# Altium PCB novena_evt1_a.PcbDoc (part 7 of 12) (continued)
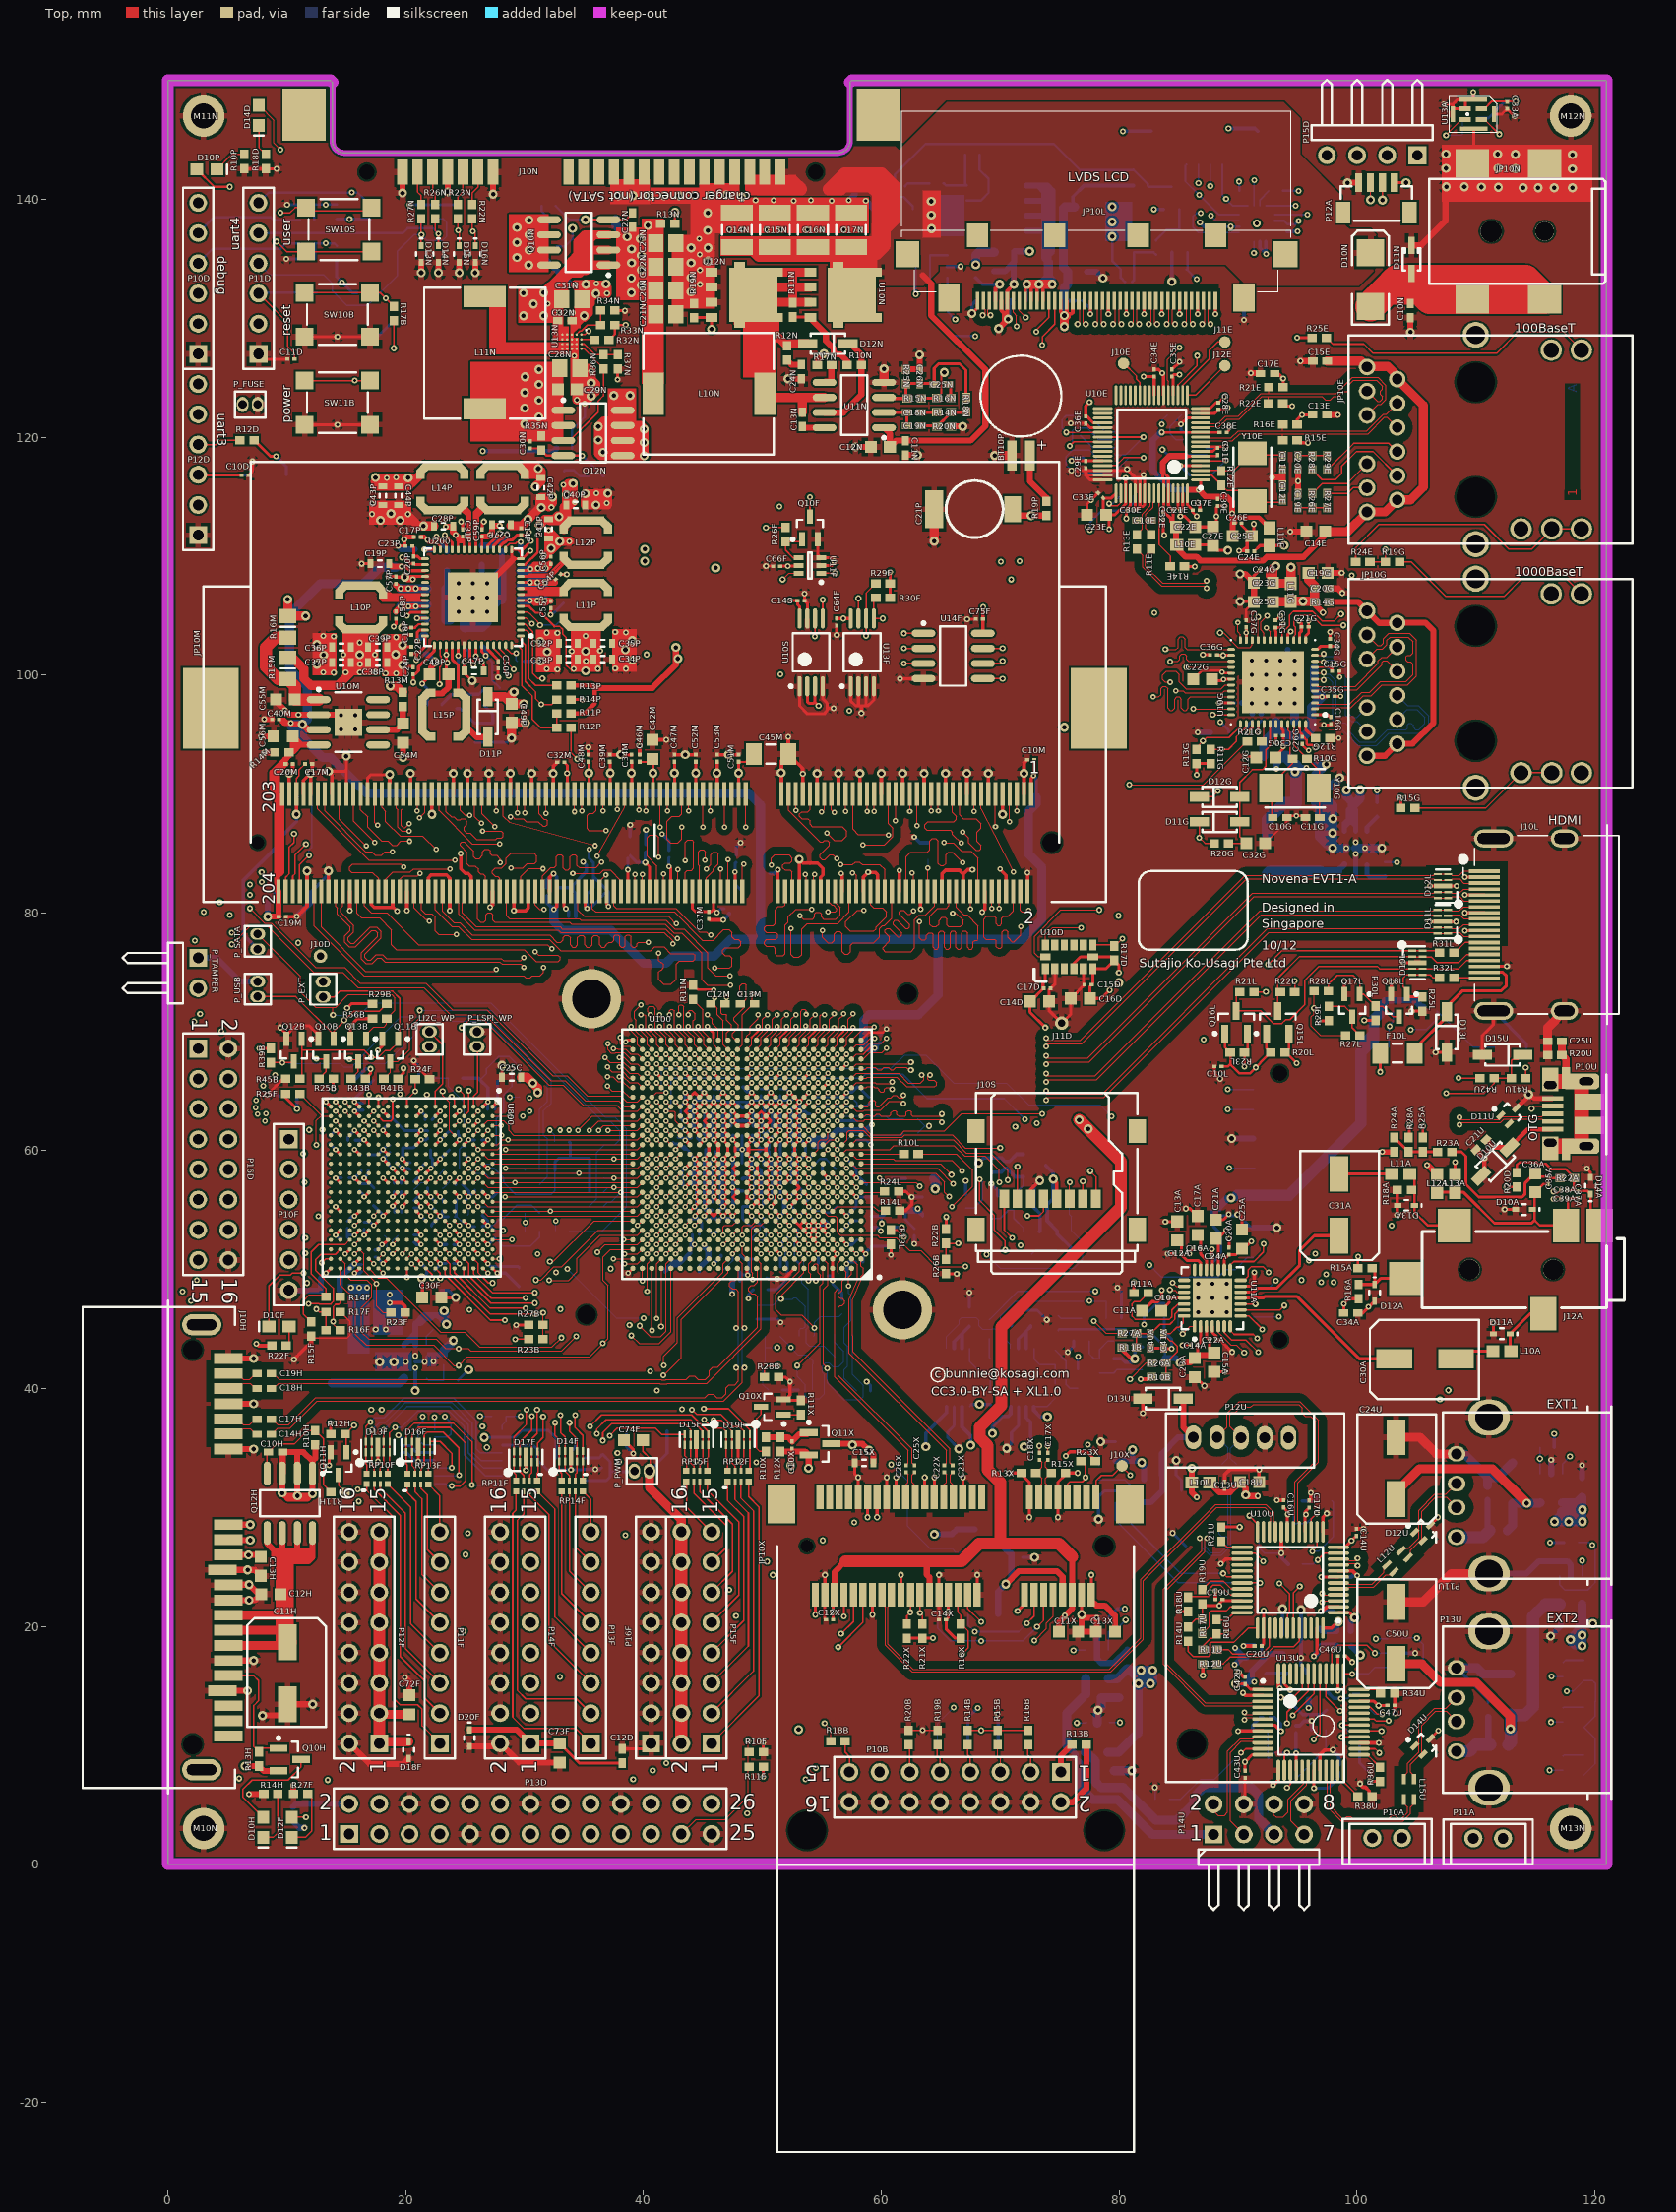
[diagram p0: Top view]
## Nets (pads, with @x,y where several pads share a name; then routed paths per layer and width w, separated by ;. In a path a pad name is that pad's centre, name@x,y a point inside that pad or via, vN(x,y) a via of type N, cw(c..) or ccw(c..) an arc to the next point about the centre after c; other vN are vias at no path point) (continued)
  Top w0.3: C19M.2@9.925,79.675 v1(10.825,79.675) 11.7,80.55 JP10M.196@11.7,81.8 v3(11.7,83.525) ; JP10M.201@10.2,90 v3(10.2,91.725) 10.5,92.025 C20M.2@10.5,92.525 ; v1(10.6,42.45) 12.05,43.9 R15F.1@12.05,44.4 ; JP10M.197@11.4,90 11.4,91.125 v3(12,91.725) ; JP10M.195@12,90 v3(12,91.725) ; C17M.2@12.125,92.525 12.125,91.85 v3(12,91.725) ; JP10M.190@13.5,81.8 v3(13.5,83.525) ; v3(13.5,91.9) 13.8,91.6 JP10M.189@13.8,90 ; v1(15.3,80.175) JP10M.184@15.3,81.8 ; JP10M.178@17.1,81.8 17.1,80.7 17.35,80.45 18.825,80.45 ; v1(18.65,47.2) 19.65,47.2 19.95,46.9 R23F.1@19.95,46.4 ; JP10M.173@18.65,90.925 v3(18.65,91.625) ; JP10M.172@18.9,81.8 18.9,80.525 18.825,80.45 ; v1(19.275,80.15) 18.975,80.45 18.825,80.45 ; v1(20.1,80.2) JP10M.168@20.1,81.8 ; JP10M.167@20.4,90 v3(20.4,91.725) ; JP10M.162@21.9,81.8 21.9,82.95 22.125,83.175 23.425,83.175 23.7,82.9 JP10M.156@23.7,81.8 v1@23.7,80.1 ; v3(22.2,88.275) JP10M.161@22.2,90 ; C30F.1@23,47.65 v3(24.2,47.65) ; JP10M.155@24,90 v3(24,91.725) ; v1(24.625,84.975) 24.625,83.675 25,83.3 25.25,83.3 25.5,83.05 JP10M.150@25.5,81.8 ; JP10M.151@25.2,90 v3(25.2,91.725) ; JP10M.145@27,90 v3(27,91.725) ; v1(27.101,80.479) 27.3,80.678 JP10M.144@27.3,81.8 ; JP10M.139@28.8,90 v3(28.8,91.725) ; JP10M.138@29.1,81.8 v1(29.1,80.175) 30.075,80.175 30.3,80.4 JP10M.134@30.3,81.8 ; JP10M.133@30.6,90 v3(30.6,91.725) ; JP10M.128@32.1,81.8 32.1,82.975 v1(32.425,83.3) ; JP10M.127@32.4,90 v3(32.4,91.725) 32.4,92.3 C32M.2@32.75,92.65 ; C48M.2@35.35,93.3 v1(35.35,93.925) ; C39M.2@37.15,93.3 C34M.2@39,93.3 ; C46M.2@39.675,93.3 v1(39.675,94.025) ; C42M.2@40.75,94.55 v1(41.9,94.55) ; C47M.2@42.6,93.3 C52M.2@44.4,93.3 ; C37M.2@45.5,79.475 45.575,79.4 v1(46.725,79.4) ; C53M.2@46.2,93.3 C51M.2@48,93.3 ; JP10M.72@51.3,81.8 v1(51.3,83.625) ; JP10M.71@51.6,90 51.6,92.775 C45M.2@52.175,93.35 ; v1(52.175,94.8) C45M.2@52.175,93.35 ; JP10M.66@53.1,81.8 v3(53.1,84.5) 53.425,84.175 54.65,84.175 55.1,83.725 55.1,83.175 54.9,82.975 JP10M.60@54.9,81.8 ; JP10M.65@53.4,90 53.4,92.125 C45M.2@52.175,93.35 ; JP10M.61@54.6,90 v3(54.6,91.725) ; JP10M.55@56.4,90 v3(56.4,91.725) ; v2(56.625,83.325) 56.7,83.25 JP10M.54@56.7,81.8 ; JP10M.49@58.2,90 v3(58.2,91.725) ; JP10M.48@58.5,81.8 58.5,83 v1(58.9,83.4) 59.5,83.4 59.7,83.2 JP10M.44@59.7,81.8 ; JP10M.43@60,90 v3(60,91.725) ; JP10M.38@61.5,81.8 v2(61.5,83.55) ; JP10M.37@61.8,90 v3(61.8,91.725) ; JP10M.32@63.3,81.8 63.3,80.325 v1(63.325,80.3) ; JP10M.31@63.6,90 v3(63.6,91.725) ; JP10M.26@65.1,81.8 65.1,83.275 65.4,83.575 66.575,83.575 66.9,83.25 ; JP10M.25@65.4,90 v3(65.4,91.725) ; JP10M.20@66.9,81.8 66.9,83.25 ; JP10M.19@67.2,90 v3(67.2,91.725) ; v1(67.675,83.625) 67.275,83.625 66.9,83.25 ; v1(68.475,80.075) 68.7,80.3 JP10M.14@68.7,81.8 ; JP10M.13@69,90 v3(69,91.725) ; v2(70,83.7) 70,83.65 70.5,83.15 JP10M.8@70.5,81.8 ; v3(70.2,88.275) JP10M.9@70.2,90 ; JP10M.3@72,90 v3(72,91.725) 72,92.6 C10M.2@72.275,92.875 ; JP10M.2@72.3,81.8 v1(72.3,83.375)
  Top w0.305: v3(67.625,130.4) 68.1,130.875 JP10L.41@68.1,131.475 ; JP10L.37@70.1,131.475 70.1,130.65 70.275,130.475 70.3,130.475 70.413,130.363 v3@70.6,130.175 ; v3(71.15,132.85) 70.6,132.3 JP10L.36@70.6,131.475 v3@70.6,130.175 ; J10S.6@72.55,55.95 72.55,56.7 v3(73.325,57.475) ; C34E.2@82.95,125.7 83.325,125.7 83.75,125.275 U10E.22@83.75,123.529 ; C35E.2@84.45,125.7 v1(85.075,126.325) ; C19U.2@88.1,22.275 v1(88.1,22.975) ; v1(88.575,25.25) 88.975,25.65 U10U.27@90.35,25.65 ; C13U.2@88.875,32.15 88.875,32.75 89.3,33.175 v1(91.775,33.175) ; v1(90,11.2) U13U.8@92.1,11.2 ; v1(90.075,16.15) 90.475,15.75 C42U.2@90.6,15.75 ; v1(90.425,14.4) 90.625,14.2 U13U.2@92.1,14.2 ; v1(90.45,18.35) C20U.2@91.4,18.35 ; C18U.2@91.775,32.125 v1(91.775,33.175) ; v1@91.8,33.2 v1(91.775,33.175) ; v1(92.95,6.625) 93.4,7.075 U13U.13@93.4,7.9 ; v1(93.275,30.6) C16U.2@93.825,30.6 ; v1(93.65,26.15) U10U.20@93.65,27.95 ; C17U.2@96,30.575 96.125,30.7 v1(96.125,31.225) ; U13U.20@96.9,7.9 96.9,9.2 97.3,9.6 v1(97.975,9.6) ; v1(96.975,21.3) 97.15,21.3 97.5,21.65 U10U.2@98.45,21.65 ; U10U.13@97.15,27.95 97.15,29.175 v1(97.475,29.5) ; U10U.8@98.45,24.65 99.65,24.65 v1(100.025,24.275) ; C46U.2@99,17.5 99.1,17.5 v1(99.6,17) ; C14U.2@99.95,28.2 v1(100.575,28.2) ; U13U.27@100.2,10.2 v1(101.85,10.2) ; v1(100.275,6.775) 100.275,6.725 100.531,6.469 100.731,6.469 101.044,6.156 101.044,5.956 R38U.2@101.3,5.7 ; R34U.2@103.2,14.35 v1(103.2,12.7) v1@103.225,12.675 ; v3@70.6,130.175 70.6,130 v3(70.675,129.925) 70.675,130.1 v3@70.6,130.175
  Top w0.381: v1(19.876,111.38) 20.096,111.6 C17P.2@20.675,111.6 ; C21U.2@110.026,60.076 v1(110.725,59.376) 110.725,58.15 D10U.2@110.448,57.873 ; D11U.3@113.445,63.595 114.55,64.7 114.85,64.4 P10U.5@116.475,64.4
  Top w0.508: J10H.4@4.575,14.585 v3(6.7,14.585) ; J10H.12@4.575,24.745 7.305,24.745 C13H.2@7.8,24.25 ; J10H.10@4.7,22.2 7.35,22.2 C12H.2@7.85,22.7 7.625,22.7 v3(6.825,23.5) J10H.11@4.7,23.5 ; J10H.6@5.075,17.125 v3(7.2,17.125) ; J10H.16@5.075,34.905 v3(7.2,34.905) ; J10H.19@5.075,38.715 v3(7.2,38.715) ; J10H.22@5.075,42.525 v3(7.2,42.525) ; v1(6.825,5.9) R14H.1@8.05,5.9 ; v1(7.825,94.825) C56M.2@8.9,94.825 ; v3(7.95,12.5) C11H.2@10.075,12.5 ; v1(8.05,93.45) 8.075,93.475 R14M.2@9,93.475 ; v1(8.1,96.275) C40M.2@8.75,96.275 ; C55M.2@9.075,97.925 9.075,97.8 v1(9.85,97.025) 10.215,96.66 U10M.2@12.675,96.66 14.54,96.66 v4(14.575,96.625) U10M.9@15.175,96.025 ; C11H.2@10.05,13.45 v3(12.175,13.45) ; R27F.1@10.55,5.9 v1(10.55,6.65) ; P12F.2@15.24,10.16 16.975,8.425 19.775,8.425 D18F.2@20.25,8.9 ; v3(19.725,140.525) J10N.22@19.725,142.3 ; v3(19.775,93.05) C54M.2@19.775,94.3 ; v3(19.925,108.225) 20.1,108.05 v1(20.6,108.05) ; v1(19.95,15.7) 20.3,15.35 C72F.1@20.3,14.2 ; v3(21.3,133.825) D13N.2@21.3,134.7 ; v3(22.75,133.825) D14N.2@22.75,134.7 ; v3(23.525,140.625) 23.535,140.635 J10N.19@23.535,142.3 ; v3(24.5,133.825) D15N.2@24.5,134.7 ; D20F.2@25.35,9.9 27.68,9.9 P14F.2@27.94,10.16 29.55,8.55 C73F.1@32.95,8.55 ; U200.57@25.8,106.525 29.05,109.775 ; v3(25.85,133.825) D16N.2@25.85,134.7 ; J10N.16@27.345,142.3 27.345,140.43 v3(27.35,140.425) ; v3(52.15,124.9) C24N.2@53.275,124.9 ; v3(57.825,119.175) C12N.2@59.125,119.175 ; C11N.2@62.025,118.5 v3(63.05,118.5) ; R25N.1@62.075,125.7 C26N.2@63.225,125.7 v3(63.225,126.925) ; R20N.1@65.875,120.9 v3(66.85,120.9) ; v3(69.875,129.125) v3@70.413,129.663 ; 70.413,130.363 v3@70.413,129.663 ; v3(70.675,129.925) v3@70.413,129.663 ; v3(90.175,108.5) 90.6,108.5 C23G.2@91.35,107.75 C25G.2@91.35,106.15 ; v1@91.05,125.4 v1(91.075,125.375) C17E.2@91.875,125.375 ; v1(92.85,116.6) 93.75,116.6 ; C12E.2@93.75,115.95 93.75,116.6 ; C11E.2@93.75,117.25 93.75,116.6 ; v1(94.4,112.05) C14E.2@95.75,112.05 ; C19E.2@95.05,115.25 C20E.2@95.05,117.25 ; v1(95.25,126.4) C15E.2@96.3,126.4 ; C13E.1@97.475,121.875 v1(98.425,121.875) ; C19G.2@97.55,108.575 v1(98.725,108.575) ; C20G.2@97.65,107.275 98.4,107.275 v1(98.775,106.9) ; v3(99.225,141.375) 99.25,141.4 P12A.4@100.15,141.4 ; v3(104.5,128.825) C10N.2@104.5,130.05 ; D11N.1@104.6,136.125 105.4,136.125 107.45,138.175 107.45,139.975 ; C11X.2@76.55,19.55 76.85,19.85 v3(76.85,20.975) 77.113,20.713 v1(78.138,20.713) 78.138,19.638 C13X.2@78.05,19.55 C11X.2@76.55,19.55
  Top w0.762: 19.775,113.35 19.925,113.2 20.4,113.2 21.075,112.525 C28P.2@22.375,112.525 ; C27P.2@28.85,112.55 29.775,112.55 v3@31.425,114.2 ; v3(28.9,94.7) C49P.2@28.9,95.975 v3(30.05,95.975) ; C42P.2@31.275,114.825 31.275,114.35 v3@31.425,114.2 ; C42P.2@31.375,114.95 32.325,114.95 v3(32.35,114.975) 32.35,114.475 32.025,114.15 31.975,114.2 v3@31.425,114.2 ; v1@31.725,110.075 32.225,110.575 v3(32.225,110.65) ; v3(32.95,111.225) 32.2,110.475 32.025,110.65 C41P.2@32.025,111.475 ; v1(33.75,111.225) v3@32.85,111.225 ; C32N.2@33.975,129.8 34.55,129.8 v3@34.825,130.075 ; 35.15,124.775 35.15,123.475 34.95,123.475 C29N.2@34.4,124.025 ; v1@36.725,114.6 36.65,114.6 36,115.25 v1(36.025,115.275) v3(37,115.275) 37,114.3 v3(36,114.3) ; U11N.4@60.225,124.605 v3(60.225,125.75) ; v3@64.425,111.225 v3(64.45,111.25) C21P.2@64.45,113.95 ; v3(69.55,118.45) BT10P.2@71,118.45 ; C50U.2@103.3,22.05 105.575,22.05 107.955,24.43 P11U.0@111.11,24.43 ; C24U.2@103.3,35.9 105.3,35.9 106.7,34.5 P11U.4@108.4,34.5 ; R20U.2@116.05,68.05 C25U.2@116.05,69.2 116.05,70.34 J10L.0@117.46,71.75 ; C41P.2@32.025,111.475 32.275,111.225 v3@32.85,111.225 ; C41P.2@32.025,111.475 32.025,112.05 v3@32.85,111.225 ; C29N.2@34.4,124.025 v1(34.4,123.125) 35.275,123.125 v3(35.6,123.45) ; C29N.2@34.4,124.025 34.65,124.275 C28N.2@34.65,125.8 35.35,125.8 v1(35.6,125.55) v3@35.6,124.85 ; v3@34.825,130.075 C31N.2@34.825,131.6 ; v3@34.825,130.075 35,130.075 35.35,130.425 C31N.2@35.35,131.075 ; C31N.2@34.825,131.6 C31N.2@34.825,132.25 ; C31N.2@34.825,131.6 C31N.2@35.35,131.075 ; C31N.2@34.825,131.6 35.6,132.375 35.6,132.475 ; C31N.2@34.825,131.6 35.525,131.6 ; C31N.2@34.825,132.25 v1(34.25,132.825) v3@35.125,132.825 ; C31N.2@34.825,132.25 34.825,132.275 34.7,132.4 v3@35.125,132.825 ; v3@35.1,115.1 C40P.2@35.1,114.3 v3(36,114.3) ; v3@35.1,115.1 35.225,115.225 36,115.225 v3(36,114.3) ; v3@35.1,115.1 35.2,115.1 v3(36,114.3) ; v3@35.125,132.825 v3(35.15,132.85) 35.775,132.85 35.862,132.763 35.875,132.75 36,132.625 v3(36,132.075) ; v3@35.125,132.825 35.25,132.825 35.6,132.475 ; C31N.2@35.35,131.075 35.525,131.25 35.525,131.6 ; 35.525,131.6 v3(36,132.075) ; v3(35.6,123.45) 35.975,123.825 35.975,124.475 v3@35.6,124.85 ; v3(35.6,123.45) v3(35.6,124.55) v3@35.6,124.85 ; 35.6,132.475 35.9,132.775 36.725,132.775 36.925,132.575 v1(36.925,132.075) v3(36,132.075)
  Bot w0.127: R50B.2@24.525,58.5 24.525,60.125 24.75,60.35 C27F.2@24.975,60.35 ; v2(26.9,53.7) 27.05,53.7 27.35,53.7 27.825,54.175 28.1,54.175 29.35,55.425 30.575,55.425 R47B.2@31.25,54.75 ; v2(26.9,58.5) 27.45,58.5 R54B.2@28.25,57.7 28.25,57.3 29.225,56.325 32.225,56.325 32.55,56.65 R46B.2@32.55,58.225 ; v1(76,117.2) 75.525,117.675 75.525,118.35 76.006,118.831 76.024,118.831 76.118,118.925 77.5,118.925 78.05,118.375 C18E.2@78.05,118.2 ; R37U.1@83.025,5.45 v1(83.025,6.45) ; R24U.2@91.775,27.325 91.775,26.6 92.225,26.15 v1(93.65,26.15) ; v1(98.65,13.925) 99.225,13.925 99.65,14.35 R35U.2@100.25,14.35
  Bot w0.203: Q13N.2@33.975,119.045 33.975,120.6 35.05,121.675 v1(35.05,122.825) ; C75C.2@43.1,62.7 43.3,62.5 v2(43.5,62.5) 43.15,62.85 43.15,63.75 v2(43.5,64.1) ; C25M.2@44.623,65.164 44.836,65.164 v2(45.1,64.9) ; v2(45.1,61.7) v2(45.1,63.3) ; C31M.2@45.902,65.164 46.436,65.164 v2(46.7,64.9) ; C28M.2@49.899,65.164 50.436,65.164 v2(50.7,64.9) ; C21M.2@50.166,63.625 50.375,63.625 v2(50.7,63.3) ; C23M.2@51.499,65.164 52.036,65.164 v2(52.3,64.9) ; v2(52.3,55.3) 52.45,55.3 C24X.2@52.775,54.975 ; C70C.2@53.438,53.975 53.625,53.975 v2(53.9,53.7) 54.1,53.5 C64C.2@54.3,53.5 54.5,53.5 v2(54.7,53.7) ; C81C.2@53.464,53.38 53.445,53.366 53.438,53.362 53.442,53.362 53.9,52.903 v2(53.9,52.9) ; v2@54.625,53.775 v2(54.7,53.7) ; C20X.2@55.275,54.175 55.5,53.95 v2(55.5,53.7) v2(54.7,53.7) ; v2(57.1,59.3) 57.775,58.625 C65C.2@57.775,58.475 ; C16M.2@59.951,69.671 59.951,69.757 60.422,70.228 v2(60.448,70.228)
  Bot w0.229: C16E.2@87.35,119.1 88.25,119.1 88.35,119.2 v1(88.975,119.2)
  Bot w0.254: v1(8.35,64.7) 9.2,64.7 C41F.2@9.35,64.55 ; v1(9.975,135) D12D.2@11,135 ; v1(10.025,139.55) D13D.2@10.9,139.55 ; C13F.2@13.6,60.625 13.6,60.6 v2(14.1,60.1) ; v1(14.25,128.45) 17.65,128.45 C10B.2@18.9,129.7 ; C48F.2@15.1,53.475 15.1,52.875 ; C45F.2@15.15,60.875 15.15,61.15 v2(15.7,61.7) ; C14F.2@15.175,52.625 15.1,52.7 15.1,52.875 ; C32F.2@15.2,57.7 v2(15.7,57.7) ; v2(15.7,49.7) 16.175,49.7 C16F.2@16.3,49.825 ; v2(15.7,52.9) 15.125,52.9 15.1,52.875 ; C37F.2@16.25,58.325 16.25,58.25 v2(15.7,57.7) ; C19F.2@16.4,64 15.8,64 v2(15.7,64.1) 15.7,64.35 C21F.2@17.3,65.95 ; C33F.2@16.5,54 17,54 v2(17.3,53.7) ; C10F.2@16.8,59.65 17.65,59.65 v2(18.1,60.1) 18.45,60.45 C52F.2@18.65,60.45 ; C60F.1@17.325,56.85 16.95,57.225 C38F.2@16.125,57.225 15.7,57.65 v2(15.7,57.7) ; C15F.2@17.4,51.05 17.55,51.05 v2(18.1,50.5) ; v2(18.1,63.3) 18.5,62.9 C11F.2@18.5,62.8 18.8,62.8 C50F.2@19.75,61.85 19.9,61.7 v2(21.3,61.7) 21.8,61.7 C36F.2@21.85,61.65 ; v2(18.9,57.7) 19.025,57.575 C57F.2@19.025,57.25 ; v2(18.901,55.328) 19.05,55.179 C55F.2@19.05,54.8 ; C53F.2@19.175,59 19.2,59 v2(19.7,58.5) 20.275,58.5 C35F.2@20.375,58.4 ; v1(19.35,33.775) 19.65,34.075 C67F.2@19.65,34.6 20.075,34.6 20.825,33.85 v1(21.05,33.85) 21.15,33.95 U12F.12@22.425,33.95 ; C58F.2@19.625,56.55 19.625,56.175 v2(19.7,56.1) ; C59F.2@20.675,55.2 21.2,55.2 v2(21.3,55.3) ; C56F.2@20.675,57.4 20.975,57.7 v2(21.3,57.7) ; v1(20.675,67.575) 21.1,67.15 R12F.1@21.1,66.1 ; C46F.2@20.7,52.3 20.9,52.1 v2(21.3,52.1) ; v1(21.375,99.275) 21.825,98.825 R16P.1@21.825,97.5 ; R49B.2@21.85,56.875 21.85,56.35 v2(22.1,56.1) 22.55,55.65 C42F.2@22.575,55.65 ; C61F.2@22.075,60.075 22.075,59.475 22.25,59.3 22.25,58.975 22.25,58.65 v2(22.1,58.5) ; C43F.2@22.187,53.638 22.187,53.787 v2(22.9,54.5) ; C28F.2@22.225,62.6 22.225,62.625 v2(22.9,63.3) ; C18F.2@22.425,49.925 22.9,50.4 v2(22.9,50.5) C17F.2@23.4,50.5 ; v2(22.9,60.9) 23.625,61.625 C12F.2@23.8,61.625 ; C54F.2@23.1,54.95 23.1,54.7 v2(22.9,54.5) ; C25F.2@23.575,54.425 22.975,54.425 v2(22.9,54.5) ; C44F.2@24.05,52.1 v2(24.5,52.1) ; C47F.2@24.8,57.125 25.3,56.625 v2(25.3,56.1) ; C26F.2@24.85,55.65 v2(25.3,56.1) ; C27F.2@24.975,60.35 24.975,60.575 v2(25.3,60.9) C22F.2@25.8,60.9 ; C52P.2@25.8,94.35 C53P.2@27.325,94.35 28.55,94.35 v3(28.9,94.7) ; C34F.2@25.825,56.675 25.825,56.625 v2(25.3,56.1) ; C39F.2@26.425,53.625 26.5,53.7 v2(26.9,53.7) 26.9,54.1 R53B.2@26.425,54.575 ; v2@27.05,53.7 C24F.2@27.5,53.25 ; C23F.2@27.525,63.45 27.525,63.925 v2(27.7,64.1) 27.7,65.8 C49F.1@27.85,65.95 28.1,66.2 v3(28.1,67.175) ; v2(27.7,49.7) 28.4,49.7 C40F.1@29.55,48.55 ; U12F.3@28.125,35.25 30.7,35.25 C68F.2@31.075,34.875 31.075,34 31.9,33.175 v1(33.9,33.175) ; J15D.1@28.9,95.975 v3(30.05,95.975) ; C60P.1@29.975,101.15 31.3,101.15 v3(31.325,101.175) ; v1(32.2,105.05) 32.275,105.05 R18P.1@33.275,106.05 ; R46B.2@32.55,58.35 32.55,58.925 32.55,59.05 32.85,59.35 33.825,59.35 ; R52B.2@33.75,60.75 33.825,60.675 33.825,59.35 ; C70F.2@34.25,35.825 34.25,35.025 33.9,34.675 v1(33.9,33.175) ; R48B.2@35.45,56.55 R51B.2@35.45,59.35 33.825,59.35 ; C71F.2@36.475,33.35 36.325,33.2 U15F.2@35,33.2 34.975,33.175 v1(33.9,33.175) ; D21F.2@38.575,36.425 38.575,35.1 v1(39.15,34.525) ; C87C.2@42.488,60.688 42.619,60.557 42.993,60.557 43.175,60.375 ; v2(43.5,64.1) v2(43.5,64.9) ; C60C.2@43.825,59.971 43.825,59.775 v2(44.3,59.3) v2(44.3,58.5) ; C73C.2@43.85,54.85 v2(44.3,55.3) ; C28C.2@44.1,52.95 44.1,52.3 ; v2@44.2,58.4 v2@44.15,58.35 ; C59C.2@44.6,55 v2(44.3,55.3) ; C84C.2@45.5,53.425 45.5,53.3 v2(45.9,52.9) 45.9,52.975 C76C.2@46.35,53.425 ; C48C.2@46.3,61.3 46.65,61.3 46.7,61.25 ; C44C.2@46.3,62.9 46.675,62.9 46.7,62.875 ; v2(46.7,55.3) C79C.2@47.1,54.9 ; v2(46.7,64.9) 46.75,64.9 C24M.2@47.1,64.55 ; C51C.2@47.8,60.1 v2(48.3,60.1) ; R15H.2@47.925,49.975 R15H.2@48.1,49.8 ; C71C.2@48.1,49.025 R15H.2@48.1,49.8 ; C17C.2@48.125,51.2 48.45,50.875 C20L.2@49.175,50.875 ; C29C.2@48.3,58.953 v2(48.3,60.1) ; C42C.2@48.3,61.26 v2(48.3,60.1) ; 48.5,54.125 48.323,54.302 48.323,55.303 48.326,55.3 v2(49.1,55.3) ; C72C.2@48.7,53.95 49.15,53.5 C37C.2@49.3,53.5 ; C22C.2@48.8,60.1 v2(48.3,60.1) ; C20L.2@48.875,50.875 48.875,49.675 v2(48.75,49.55) 48.35,49.55 R15H.2@48.1,49.8 ; C11B.2@49.55,45.825 51.3,45.825 v2(51.55,45.575) ; C36C.2@49.614,58.811 49.614,58.612 49.913,58.312 C26C.2@49.913,58.1 ; v2(49.9,55.3) 50.075,55.475 C12C.2@50.075,55.725 50.075,55.925 v2(49.9,56.1) ; 50.262,61.262 50.262,61.338 50.262,61.362 C62C.2@51,62.1 ; C27U.2@50.375,49.3 50.45,49.225 v1(51.25,49.225) ; C66C.2@51.025,54.025 v2(51.5,54.5) 51.786,54.786 51.786,55.3 ; C28U.2@51.5,50.225 v2(51.5,51.3) ; v2(51.5,60.9) 51.5,60.127 51.466,60.094 51.5,60.06 v2(51.5,59.3) v2(51.5,58.5) v2(51.5,57.7) v2(51.5,56.9) v2(51.5,56.1) 51.786,55.814 51.786,55.3 ; C13B.2@51.7,39.875 52.325,39.875 ; v2(52.325,40.575) 52.325,39.875 ; C14B.2@53.025,39.875 52.325,39.875 ; v2(53.1,63.3) 53.625,63.3 53.85,63.075 C63C.2@54,63.075 ; v2(53.1,64.1) 53.406,64.406 C22M.2@53.406,64.597 53.597,64.597 v2(53.9,64.9) ; C86C.2@53.615,60.407 53.615,59.735 53.264,59.385 53.185,59.385 v2(53.1,59.3) 52.967,59.167 52.967,58.633 v2(53.1,58.5) 52.967,58.367 52.967,57.833 v2(53.1,57.7) 52.967,57.567 52.967,57.033 53.375,56.625 53.375,56.402 52.848,55.875 52.825,55.875 52.825,55.725 52.571,55.471 52.471,55.471 v2(52.3,55.3) 51.786,55.3 ; C80C.2@54.7,50.5 v2(54.7,51.3) ; C11L.2@55.025,57.375 55.175,57.375 v2(55.5,57.7) 55.1,58.1 C35C.2@55.025,58.1 C21H.2@55.025,58.9 ; C27X.2@55.525,49.475 55.8,49.475 55.903,49.372 v2(55.903,49.077) 55.903,48.797 56.7,48 C12B.2@56.7,47.5 ; C33U.2@56.725,52.675 56.725,52.475 v2(57.1,52.1) 57.55,52.1 C34U.2@57.95,52.5 ; v2(57.1,54.5) 57.875,55.275 C15H.2@57.875,55.3 57.9,55.325 v2(57.9,56.1) C23X.2@59.125,56.1 ; v2(57.1,64.9) 57.5,64.9 C20H.2@57.95,65.35 58.1,65.35 C23L.2@58.95,64.5 ; C65C.2@57.775,58.475 57.9,58.35 v2(57.9,57.7) 58.225,57.7 C67C.2@58.775,57.15 ; C19X.2@57.95,60.9 58.725,60.9 v2(59.125,60.5) ; C74C.2@58.45,50.65 58.45,51.05 v2(58.7,51.3) 58.7,51.45 C22L.2@59.2,51.95 C69C.2@60.8,51.95 v2(60.8,51.225) ; v1(58.775,40.575) 59.1,40.25 R20X.1@59.1,39.8 ; v1(62.55,56.1) C61C.2@63.475,56.1 ; v1(62.775,52.15) C40C.2@62.775,52.85 ; U12A.7@66.133,38.474 66.133,36.883 C27A.1@65.6,36.35 65.6,35.85 v3(66.525,34.925) ; C29A.1@67.4,46.825 v1(67.4,48.075) ; v1(69.825,12.65) 69.83,12.645 U10X.C5@69.83,9.825 ; v3(70.55,34.975) 70.95,35.375 C18A.1@70.95,36.3 71.533,36.883 U10A.7@71.533,38.474 ; C19A.1@70.95,45.25 70.95,46.05 71.475,46.575 73.125,46.575 v1(73.925,45.775) ; C16X.2@71.9,25.8 v3(72.9,25.8) ; v1(75.675,43.05) 76.2,43.575 Q12A.2@76.2,44 ; C13L.2@76.9,131.475 77.6,130.775 v1(77.6,130.337) ; v3(78.275,29) 78.275,30.9 78.75,31.375 U12U.2@79.7,31.375 ; v3(78.45,35.525) C26U.2@79.7,35.525 ; v1(79.875,48.475) 80.2,48.15 Q10A.2@80.2,45.9 ; R32A.1@83.8,45.9 83.8,44.8 84.425,44.175 v1(84.425,43.35) ; v1@84.5,27.875 v1(84.5,27.85) J13D.1@85.6,26.75 ; v3@84.775,33.975 v3(84.8,33.95) C30U.2@84.8,32.725 85.25,32.275 C29U.2@85.25,31.425 ; v1(85.15,117.6) 85.946,116.804 R17E.1@86.55,116.804 ; v1(85.2,121.075) 85.2,120.625 U11E.5@85.4,120.425 ; C13S.2@88.5,54.4 88.625,54.525 90.1,54.525 91.2,53.425 JP10S.3@91.3,53.525 ; v3(107.5,143.8) 107.95,144.25 R34A.1@108.9,144.25 ; P13U.4@108.4,16.5 111.05,13.85 C49U.2@111.05,13.6 ; J10L.0@111.5,71.75 114.25,69 JP10S.CD_WP_COM@114.25,68.7 ; C52C.2@42.325,50.3 42.925,50.3 43.15,50.525 ; C52C.2@42.325,50.3 C52C.2@41.775,49.75 41.775,49.975 42.5,50.7 ; C52C.2@42.325,50.3 42.5,50.475 42.5,50.7 ; 42.5,50.7 43.15,50.7 43.925,51.475 C50C.2@43.975,51.475 ; 42.5,50.7 42.675,50.525 43.15,50.525 ; 43.15,50.525 43.975,51.35 C50C.2@43.975,51.475 ; 43.175,60.375 43.4,60.375 C60C.2@43.65,60.125 43.425,60.125 43.175,60.375 ; C50C.2@43.975,51.475 C50C.2@43.975,51.775 ; C50C.2@43.975,51.775 v2(44.3,52.1) 44.1,52.3 ; C50C.2@43.975,51.775 43.975,52.175 44.1,52.3 ; 44.1,57.1 44.001,57.199 44.001,57.401 44.1,57.5 ; 44.1,57.1 v2(44.3,56.9) ; 44.1,57.1 44.1,57.5 ; 44.1,57.5 v2(44.3,57.7) ; 44.1,57.9 44.001,57.999 44.001,58.201 44.1,58.3 ; 44.1,57.9 44.1,58.3 ; 44.1,57.9 v2(44.3,57.7) ; 44.1,58.3 v2@44.15,58.35 ; v2@44.15,58.35 v2(44.3,58.5) ; v2(44.3,55.3) 44.45,55.45 C55C.2@44.45,55.7 44.45,55.95 v2(44.3,56.1) 44.45,56.25 C53C.2@44.45,56.5 44.45,56.75 v2(44.3,56.9) ; v2(44.3,56.9) 44.45,57.05 44.45,57.55 v2(44.3,57.7) ; v2(44.3,56.9) v2(44.3,57.7) ; v2(44.3,57.7) 44.4,57.8 C56C.2@44.4,58.1 44.4,58.4 v2(44.3,58.5) ; v2(44.3,57.7) v2(44.3,58.5) ; C27M.2@48.325,65.35 48.775,64.9 v2(49.1,64.9) 48.65,65.35 C27M.2@48.325,65.35
  Bot w0.3: v3(11.7,83.525) 11.7,81.875 C18M.2@12,81.575 12,81.725 13.5,83.225 v3(13.5,83.525) ; v3(20.8,39.825) U10F.2@20.8,40.85 v6(20.8,41.75) ; U10F.7@20.8,42.25 v6(21.6,42.25) 22.025,42.25 22.35,42.575 ; U10F.7@21.8,42.65 21.8,42.5 21.925,42.375 21.925,42.425 22.075,42.575 22.35,42.575 ; 21.875,42.025 22.1,42.025 ; v1(22.35,42.275) 22.1,42.025 ; 22.775,42.825 22.525,42.575 ; C20F.1@23,48.25 23.6,48.25 v3(24.2,47.65) ; v3@24,44 v3(24,44.025) ; C14M.2@31.85,82.1 31.85,82.725 v1(32.425,83.3) 32.7,83.025 C15M.2@32.7,82.1 33.825,82.1 C44M.2@34.075,81.85 ; C36M.2@34.3,79.675 34.3,81.625 C44M.2@34.075,81.85 ; v1(34.925,84.275) 35.175,84.025 C50M.2@35.175,83.425 34.075,82.325 C44M.2@34.075,81.85 ; C41M.2@38.875,86.4 v1(38.875,87.375) ; C49M.2@40.2,85.75 v1(40.2,86.975) ; v2(41.575,86.625) 42.15,86.05 C38M.2@42.15,85.25 ; v1(46.725,79.4) 47.212,79.887 C35M.2@47.212,79.938 ; C33M.2@47.8,84.85 47.8,85.525 v1(48.175,85.9) ; C11M.2@50.65,83.325 51,83.325 v1@51.25,83.575 ; C43M.2@51.25,81.775 v1@51.25,83.575 ; v1(51.3,83.625) v1@51.25,83.575 ; v2(62.775,86.375) 63.25,85.9 R10M.2@63.925,85.9 ; 22.1,42.025 22.45,42.025 22.525,42.1 22.525,42.575 ; 22.35,42.575 22.525,42.575